# KiCad board OLD_PCB.kicad_pcb (continued)
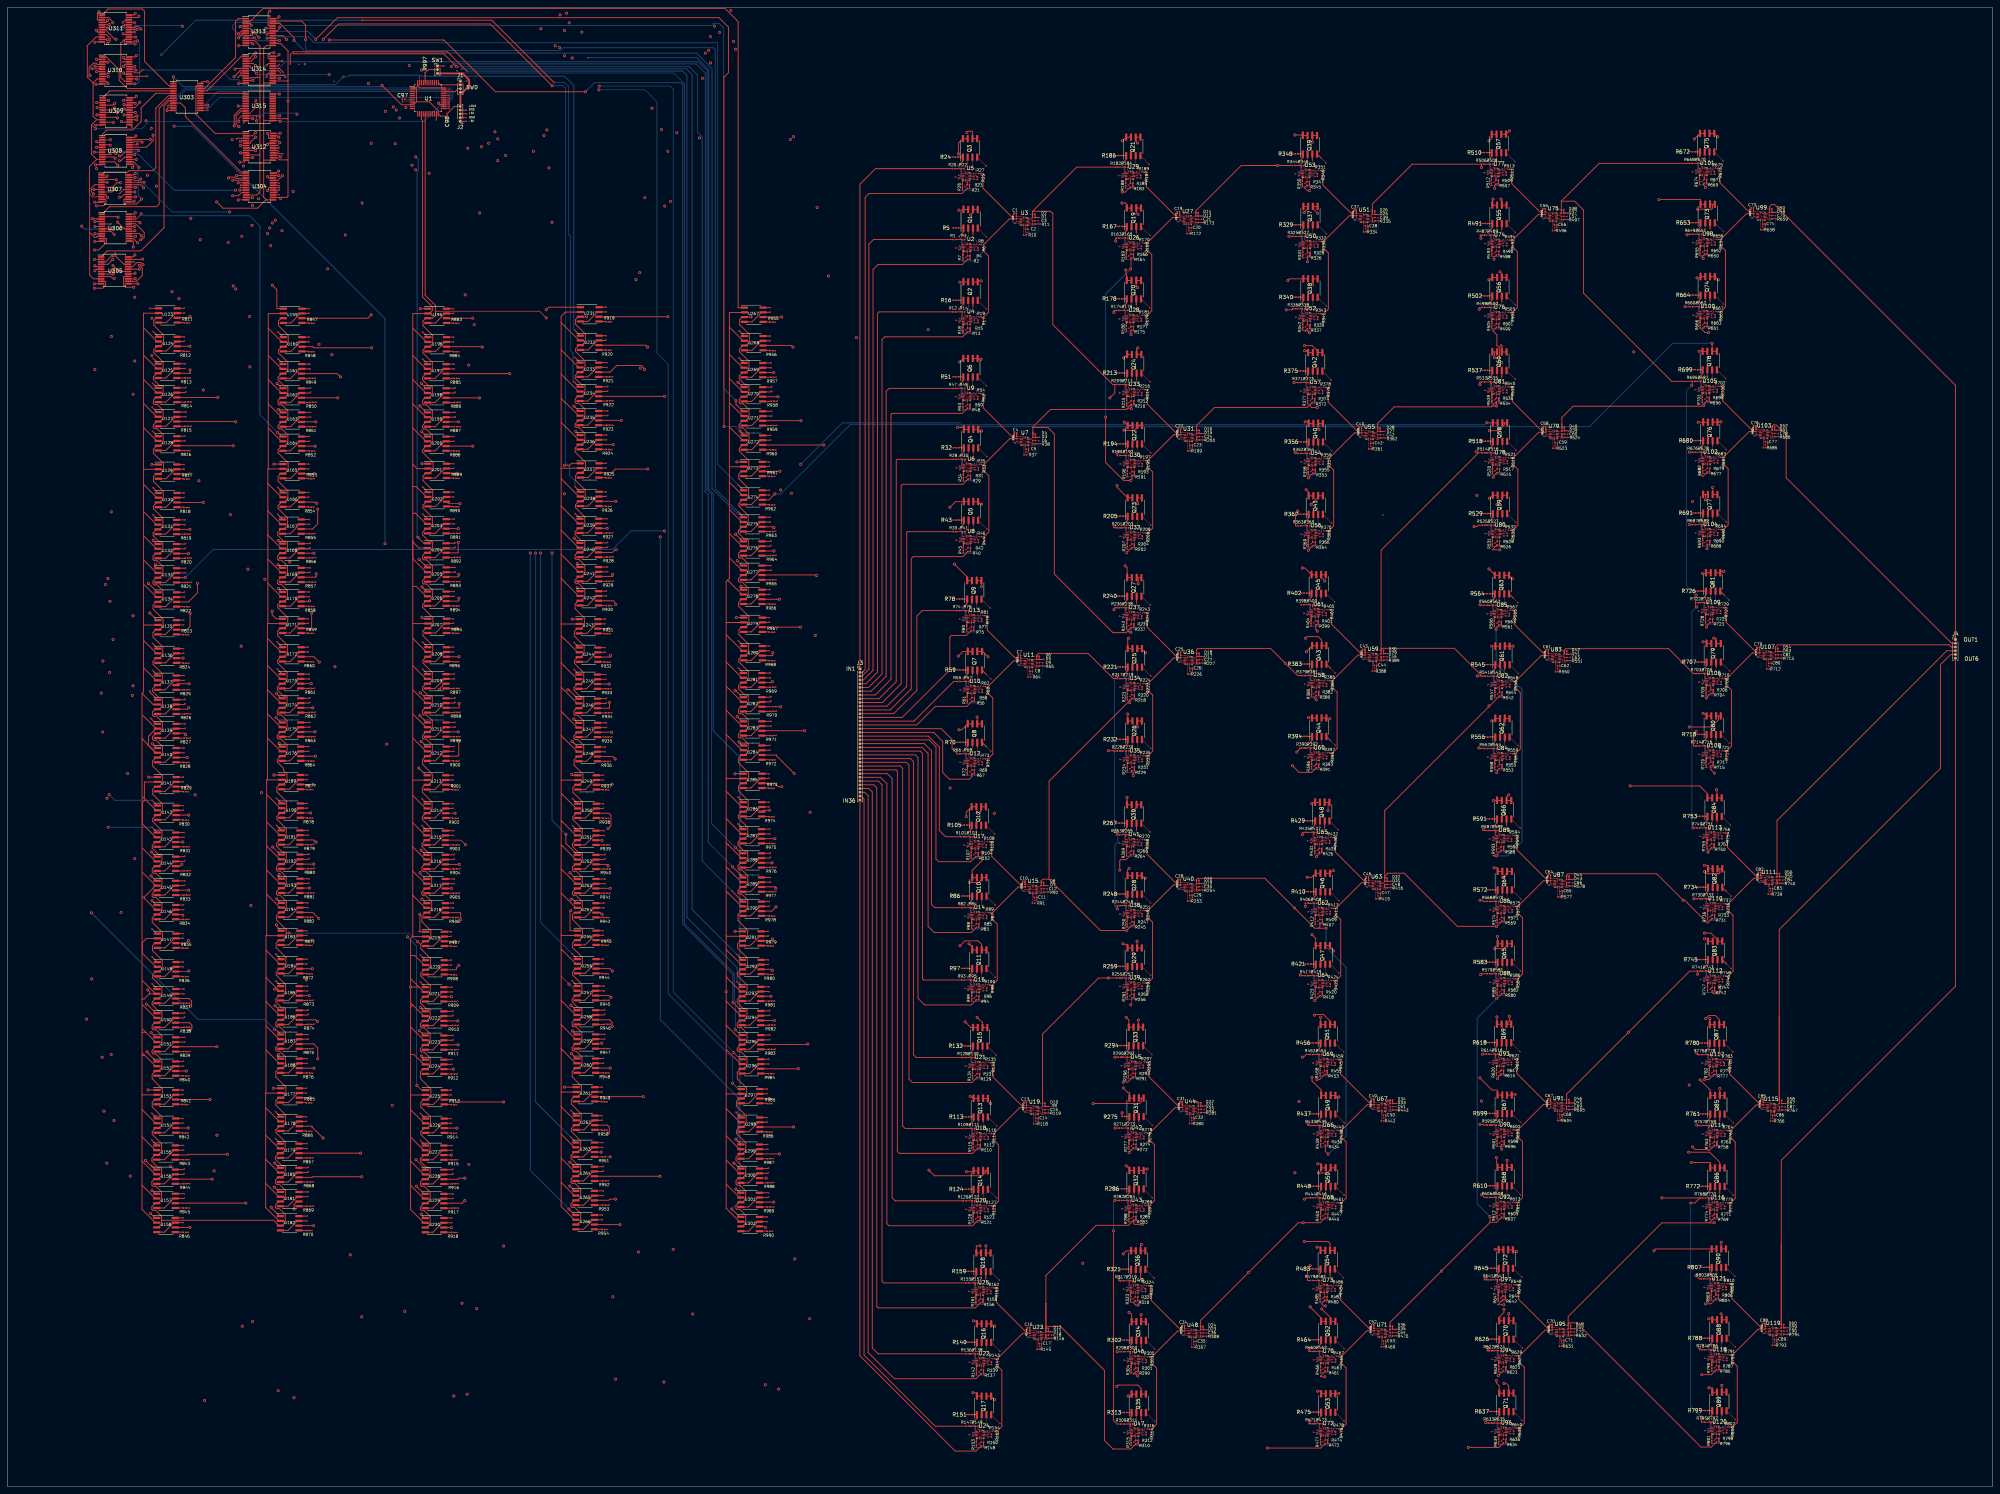
[diagram p0: board, top side]
## Nets (continued)
/L1_IN8: J3.8 R48.1
/L1_IN9: J3.9 R28.1
/L1_IN10: J3.10 R29.1
/L1_IN11: J3.11 R39.1
/L1_IN12: J3.12 R40.1
/L1_IN13: J3.13 R74.1
/L1_IN14: J3.14 R75.1
/L1_IN15: J3.15 R55.1
/L1_IN16: J3.16 R56.1
/L1_IN17: J3.17 R66.1
/L1_IN18: J3.18 R67.1
/L1_IN19: J3.19 R101.1
/L1_IN20: J3.20 R102.1
/L1_IN21: J3.21 R82.1
/L1_IN22: J3.22 R83.1
/L1_IN23: J3.23 R93.1
/L1_IN24: J3.24 R94.1
/L1_IN25: J3.25 R128.1
/L1_IN26: J3.26 R129.1
/L1_IN27: J3.27 R109.1
/L1_IN28: J3.28 R110.1
/L1_IN29: J3.29 R120.1
/L1_IN30: J3.30 R121.1
/L1_IN31: J3.31 R155.1
/L1_IN32: J3.32 R156.1
/L1_IN33: J3.33 R136.1
/L1_IN34: J3.34 R137.1
/L1_IN35: J3.35 R147.1
/L1_IN36: J3.36 R148.1
/L5_OUT1: D49.2 D50.1 J4.1 U99.12 U99.13
/L5_OUT2: D51.2 D52.1 J4.2 U103.12 U103.13
/L5_OUT3: D53.2 D54.1 J4.3 U107.12 U107.13
/L5_OUT4: D55.2 D56.1 J4.4 U111.12 U111.13
/L5_OUT5: D57.2 D58.1 J4.5 U115.12 U115.13
/L5_OUT6: D59.2 D60.1 J4.6 U119.12 U119.13
/MISO: U1.16
/MOSI: U1.17 U123.3 U124.3 U125.3 U126.3 U127.3 U128.3 U129.3 U130.3 U131.3 U132.3 U133.3 U134.3 U135.3 U136.3 U137.3 U138.3 U139.3 U140.3 U141.3 U142.3 U143.3 U144.3 U145.3 U146.3 U147.3 U148.3 U149.3 U150.3 U151.3 U152.3 U153.3 U154.3 U155.3 U156.3 U157.3 U158.3 U159.3 U160.3 U161.3 U162.3 U163.3 U164.3 U165.3 U166.3 U167.3 U168.3 U169.3 U170.3 U171.3 U172.3 U173.3 U174.3 U175.3 U176.3 U177.3 U178.3 U179.3 U180.3 U181.3 U182.3 U183.3 U184.3 U185.3 U186.3 U187.3 U188.3 U189.3 U190.3 U191.3 U192.3 U193.3 U194.3 U195.3 U196.3 U197.3 U198.3 U199.3 U200.3 U201.3 U202.3 U203.3 U204.3 U205.3 U206.3 U207.3 U208.3 U209.3 U210.3 U211.3 U212.3 U213.3 U214.3 U215.3 U216.3 U217.3 U218.3 U219.3 U220.3 U221.3 U222.3 U223.3 U224.3 U225.3 U226.3 U227.3 U228.3 U229.3 U230.3 U231.3 U232.3 U233.3 U234.3 U235.3 U236.3 U237.3 U238.3 U239.3 U240.3 U241.3 U242.3 U243.3 U244.3 U245.3 U246.3 U247.3 U248.3 U249.3 U250.3 U251.3 U252.3 U253.3 U254.3 U255.3 U256.3 U257.3 U258.3 U259.3 U260.3 U261.3 U262.3 U263.3 U264.3 U265.3 U266.3 U267.3 U268.3 U269.3 U270.3 U271.3 U272.3 U273.3 U274.3 U275.3 U276.3 U277.3 U278.3 U279.3 U280.3 U281.3 U282.3 U283.3 U284.3 U285.3 U286.3 U287.3 U288.3 U289.3 U290.3 U291.3 U292.3 U293.3 U294.3 U295.3 U296.3 U297.3 U298.3 U299.3 U300.3 U301.3 U302.3
/Neuron6_1/Adder2/SUM_IN: R169.2 R170.2 R171.1 R180.2 R181.2 R188.2 R189.2 U27.1
/Neuron6_1/IN1: D1.2 D2.1 R182.1 R209.1 R236.1 R263.1 R290.1 R317.1 U3.12 U3.13
/Neuron6_1/IN2: D3.2 D4.1 R183.1 R210.1 R237.1 R264.1 R291.1 R318.1 U7.12 U7.13
/Neuron6_1/IN3: D5.2 D6.1 R163.1 R190.1 R217.1 R244.1 R271.1 R298.1 U11.12 U11.13
/Neuron6_1/IN4: D7.2 D8.1 R164.1 R191.1 R218.1 R245.1 R272.1 R299.1 U15.12 U15.13
/Neuron6_1/IN5: D9.2 D10.1 R174.1 R201.1 R228.1 R255.1 R282.1 R309.1 U19.12 U19.13
/Neuron6_1/IN6: D11.2 D12.1 R175.1 R202.1 R229.1 R256.1 R283.1 R310.1 U23.12 U23.13
/Neuron6_1/OUT: D13.2 D14.1 R344.1 R371.1 R425.1 R452.1 R479.1 U27.12 U27.13
/Neuron6_2/Adder2/SUM_IN: R196.2 R197.2 R198.1 R207.2 R208.2 R215.2 R216.2 U31.1
/Neuron6_3/Adder2/SUM_IN: R223.2 R224.2 R225.1 R234.2 R235.2 R242.2 R243.2 U36.1
/Neuron6_4/Adder2/SUM_IN: R250.2 R251.2 R252.1 R261.2 R262.2 R269.2 R270.2 U40.1
/Neuron6_5/Adder2/SUM_IN: R277.2 R278.2 R279.1 R288.2 R289.2 R296.2 R297.2 U44.1
/Neuron6_6/Adder2/SUM_IN: R304.2 R305.2 R306.1 R315.2 R316.2 R323.2 R324.2 U48.1
/Neuron6_7/Adder2/SUM_IN: R331.2 R332.2 R333.1 R342.2 R343.2 R350.2 R351.2 U51.1
/Neuron6_8/Adder2/SUM_IN: R358.2 R359.2 R360.1 R369.2 R370.2 R377.2 R378.2 U55.1
/Neuron6_9/Adder2/SUM_IN: R385.2 R386.2 R387.1 R396.2 R397.2 R404.2 R405.2 U59.1
/Neuron6_9/IN1: R398.1
/Neuron6_10/Adder2/SUM_IN: R412.2 R413.2 R414.1 R423.2 R424.2 R431.2 R432.2 U63.1
/Neuron6_10/IN2: D15.2 D16.1 R345.1 R372.1 R399.1 R426.1 R453.1 R480.1 U31.12 U31.13
/Neuron6_10/IN3: D17.2 D18.1 R325.1 R352.1 R379.1 R406.1 R433.1 R460.1 U36.12 U36.13
/Neuron6_10/IN4: D19.2 D20.1 R326.1 R353.1 R380.1 R407.1 R434.1 R461.1 U40.12 U40.13
/Neuron6_10/IN5: D21.2 D22.1 R336.1 R363.1 R390.1 R417.1 R444.1 R471.1 U44.12 U44.13
/Neuron6_10/IN6: D23.2 D24.1 R337.1 R364.1 R391.1 R418.1 R445.1 R472.1 U48.12 U48.13
/Neuron6_10/OUT: D31.2 D32.1 R488.1 R515.1 R542.1 R569.1 R596.1 R623.1 U63.12 U63.13
/Neuron6_11/Adder2/SUM_IN: R439.2 R440.2 R441.1 R450.2 R451.2 R458.2 R459.2 U67.1
/Neuron6_11/OUT: D33.2 D34.1 R498.1 R525.1 R552.1 R579.1 R606.1 R633.1 U67.12 U67.13
/Neuron6_12/Adder2/SUM_IN: R466.2 R467.2 R468.1 R477.2 R478.2 R485.2 R486.2 U71.1
/Neuron6_12/OUT: D35.2 D36.1 R499.1 R526.1 R553.1 R580.1 R607.1 R634.1 U71.12 U71.13
/Neuron6_13/Adder2/SUM_IN: R493.2 R494.2 R495.1 R504.2 R505.2 R512.2 R513.2 U75.1
/Neuron6_13/IN1: D25.2 D26.1 R506.1 R533.1 R560.1 R587.1 R614.1 R641.1 U51.12 U51.13
/Neuron6_13/IN2: D27.2 D28.1 R507.1 R534.1 R561.1 R588.1 R615.1 R642.1 U55.12 U55.13
/Neuron6_13/IN3: D29.2 D30.1 R487.1 R514.1 R541.1 R568.1 R595.1 R622.1 U59.12 U59.13
/Neuron6_13/OUT: D37.2 D38.1 R668.1 R695.1 R722.1 R749.1 R776.1 R803.1 U75.12 U75.13
/Neuron6_14/Adder2/SUM_IN: R520.2 R521.2 R522.1 R531.2 R532.2 R539.2 R540.2 U79.1
/Neuron6_14/OUT: D39.2 D40.1 R669.1 R696.1 R723.1 R750.1 R777.1 R804.1 U79.12 U79.13
/Neuron6_15/Adder2/SUM_IN: R547.2 R548.2 R549.1 R558.2 R559.2 R566.2 R567.2 U83.1
/Neuron6_15/OUT: D41.2 D42.1 R649.1 R676.1 R703.1 R730.1 R757.1 R784.1 U83.12 U83.13
/Neuron6_16/Adder2/SUM_IN: R574.2 R575.2 R576.1 R585.2 R586.2 R593.2 R594.2 U87.1
/Neuron6_16/OUT: D43.2 D44.1 R650.1 R677.1 R704.1 R731.1 R758.1 R785.1 U87.12 U87.13
/Neuron6_17/Adder2/SUM_IN: R601.2 R602.2 R603.1 R612.2 R613.2 R620.2 R621.2 U91.1
/Neuron6_17/OUT: D45.2 D46.1 R660.1 R687.1 R714.1 R741.1 R768.1 R795.1 U91.12 U91.13
/Neuron6_18/Adder2/SUM_IN: R628.2 R629.2 R630.1 R639.2 R640.2 R647.2 R648.2 U95.1
/Neuron6_18/OUT: D47.2 D48.1 R661.1 R688.1 R715.1 R742.1 R769.1 R796.1 U95.12 U95.13
/Neuron6_19/Adder2/SUM_IN: R655.2 R656.2 R657.1 R666.2 R667.2 R674.2 R675.2 U99.1
/Neuron6_20/Adder2/SUM_IN: R682.2 R683.2 R684.1 R693.2 R694.2 R701.2 R702.2 U103.1
/Neuron6_21/Adder2/SUM_IN: R709.2 R710.2 R711.1 R720.2 R721.2 R728.2 R729.2 U107.1
/Neuron6_22/Adder2/SUM_IN: R736.2 R737.2 R738.1 R747.2 R748.2 R755.2 R756.2 U111.1
/Neuron6_23/Adder2/SUM_IN: R763.2 R764.2 R765.1 R774.2 R775.2 R782.2 R783.2 U115.1
/Neuron6_24/Adder2/SUM_IN: R790.2 R791.2 R792.1 R801.2 R802.2 R809.2 R810.2 U119.1
/Neuron6_in1/Adder2/SUM_IN: R7.2 R8.2 R9.1 R18.2 R19.2 R26.2 R27.2 U3.1
/Neuron6_in2/Adder2/SUM_IN: R34.2 R35.2 R36.1 R45.2 R46.2 R53.2 R54.2 U7.1
/Neuron6_in3/Adder2/SUM_IN: R61.2 R62.2 R63.1 R72.2 R73.2 R80.2 R81.2 U11.1
/Neuron6_in4/Adder2/SUM_IN: R88.2 R89.2 R90.1 R99.2 R100.2 R107.2 R108.2 U15.1
/Neuron6_in5/Adder2/SUM_IN: R115.2 R116.2 R117.1 R126.2 R127.2 R134.2 R135.2 U19.1
/Neuron6_in6/Adder2/SUM_IN: R142.2 R143.2 R144.1 R153.2 R154.2 R161.2 R162.2 U23.1
/NRST: C97.2 U1.7
/S0: U1.25 U304.10 U305.10 U306.10 U307.10 U308.10 U309.10 U310.10 U311.10 U312.10 U313.10 U314.10 U315.10
/S1: U1.26 U304.11 U305.11 U306.11 U307.11 U308.11 U309.11 U310.11 U311.11 U312.11 U313.11 U314.11 U315.11
/S2: U1.27 U304.14 U305.14 U306.14 U307.14 U308.14 U309.14 U310.14 U311.14 U312.14 U313.14 U314.14 U315.14
/S3: U1.28 U304.13 U305.13 U306.13 U307.13 U308.13 U309.13 U310.13 U311.13 U312.13 U313.13 U314.13 U315.13
/S4: U1.29 U303.10
/S5: U1.30 U303.11
/S6: U1.31 U303.14
/S7: U1.32 U303.13
/SCK: U1.15 U123.2 U124.2 U125.2 U126.2 U127.2 U128.2 U129.2 U130.2 U131.2 U132.2 U133.2 U134.2 U135.2 U136.2 U137.2 U138.2 U139.2 U140.2 U141.2 U142.2 U143.2 U144.2 U145.2 U146.2 U147.2 U148.2 U149.2 U150.2 U151.2 U152.2 U153.2 U154.2 U155.2 U156.2 U157.2 U158.2 U159.2 U160.2 U161.2 U162.2 U163.2 U164.2 U165.2 U166.2 U167.2 U168.2 U169.2 U170.2 U171.2 U172.2 U173.2 U174.2 U175.2 U176.2 U177.2 U178.2 U179.2 U180.2 U181.2 U182.2 U183.2 U184.2 U185.2 U186.2 U187.2 U188.2 U189.2 U190.2 U191.2 U192.2 U193.2 U194.2 U195.2 U196.2 U197.2 U198.2 U199.2 U200.2 U201.2 U202.2 U203.2 U204.2 U205.2 U206.2 U207.2 U208.2 U209.2 U210.2 U211.2 U212.2 U213.2 U214.2 U215.2 U216.2 U217.2 U218.2 U219.2 U220.2 U221.2 U222.2 U223.2 U224.2 U225.2 U226.2 U227.2 U228.2 U229.2 U230.2 U231.2 U232.2 U233.2 U234.2 U235.2 U236.2 U237.2 U238.2 U239.2 U240.2 U241.2 U242.2 U243.2 U244.2 U245.2 U246.2 U247.2 U248.2 U249.2 U250.2 U251.2 U252.2 U253.2 U254.2 U255.2 U256.2 U257.2 U258.2 U259.2 U260.2 U261.2 U262.2 U263.2 U264.2 U265.2 U266.2 U267.2 U268.2 U269.2 U270.2 U271.2 U272.2 U273.2 U274.2 U275.2 U276.2 U277.2 U278.2 U279.2 U280.2 U281.2 U282.2 U283.2 U284.2 U285.2 U286.2 U287.2 U288.2 U289.2 U290.2 U291.2 U292.2 U293.2 U294.2 U295.2 U296.2 U297.2 U298.2 U299.2 U300.2 U301.2 U302.2
/SWCLK: J1.2 U1.37
/SWDIO: J1.3 U1.34
/VariableWeights/CS111: U123.1 U304.2
/VariableWeights/CS112: U124.1 U304.3
/VariableWeights/CS113: U125.1 U304.4
/VariableWeights/CS114: U126.1 U304.5
/VariableWeights/CS115: U127.1 U304.6
/VariableWeights/CS116: U128.1 U304.7
/VariableWeights/CS121: U129.1 U304.8
/VariableWeights/CS122: U130.1 U304.9
/VariableWeights/CS123: U131.1 U304.23
/VariableWeights/CS124: U132.1 U304.22
/VariableWeights/CS125: U133.1 U304.21
/VariableWeights/CS126: U134.1 U304.20
/VariableWeights/CS131: U135.1 U304.19
/VariableWeights/CS132: U136.1 U304.18
/VariableWeights/CS133: U137.1 U304.17
/VariableWeights/CS134: U138.1 U304.16
/VariableWeights/CS135: U139.1 U305.2
/VariableWeights/CS136: U140.1 U305.3
/VariableWeights/CS141: U141.1 U305.4
/VariableWeights/CS142: U142.1 U305.5
/VariableWeights/CS143: U143.1 U305.6
/VariableWeights/CS144: U144.1 U305.7
/VariableWeights/CS145: U145.1 U305.8
/VariableWeights/CS146: U146.1 U305.9
/VariableWeights/CS151: U147.1 U305.23
/VariableWeights/CS152: U148.1 U305.22
/VariableWeights/CS153: U149.1 U305.21
/VariableWeights/CS154: U150.1 U305.20
/VariableWeights/CS155: U151.1 U305.19
/VariableWeights/CS156: U152.1 U305.18
/VariableWeights/CS161: U153.1 U305.17
/VariableWeights/CS162: U154.1 U305.16
/VariableWeights/CS163: U155.1 U306.2
/VariableWeights/CS164: U156.1 U306.3
/VariableWeights/CS165: U157.1 U306.4
/VariableWeights/CS166: U158.1 U306.5
/VariableWeights/CS211: U159.1 U306.6
/VariableWeights/CS212: U160.1 U306.7
/VariableWeights/CS213: U161.1 U306.8
/VariableWeights/CS214: U162.1 U306.9
/VariableWeights/CS215: U163.1 U306.23
/VariableWeights/CS216: U164.1 U306.22
/VariableWeights/CS221: U165.1 U306.21
/VariableWeights/CS222: U166.1 U306.20
/VariableWeights/CS223: U167.1 U306.19
/VariableWeights/CS224: U168.1 U306.18
/VariableWeights/CS225: U169.1 U306.17
/VariableWeights/CS226: U170.1 U306.16
/VariableWeights/CS231: U171.1 U307.2
/VariableWeights/CS232: U172.1 U307.3
/VariableWeights/CS233: U173.1 U307.4
/VariableWeights/CS234: U174.1 U307.5
/VariableWeights/CS235: U175.1 U307.6
/VariableWeights/CS236: U176.1 U307.7
/VariableWeights/CS241: U189.1 U307.8
/VariableWeights/CS242: U190.1 U307.9
/VariableWeights/CS243: U191.1 U307.23
/VariableWeights/CS244: U192.1 U307.22
/VariableWeights/CS245: U193.1 U307.21
/VariableWeights/CS246: U194.1 U307.20
/VariableWeights/CS251: U183.1 U307.19
/VariableWeights/CS252: U184.1 U307.18
/VariableWeights/CS253: U185.1 U307.17
/VariableWeights/CS254: U186.1 U307.16
/VariableWeights/CS255: U187.1 U308.2
/VariableWeights/CS256: U188.1 U308.3
/VariableWeights/CS261: U177.1 U308.4
/VariableWeights/CS262: U178.1 U308.5
/VariableWeights/CS263: U179.1 U308.6
/VariableWeights/CS264: U180.1 U308.7
/VariableWeights/CS265: U181.1 U308.8
/VariableWeights/CS266: U182.1 U308.9
/VariableWeights/CS311: U195.1 U308.23
/VariableWeights/CS312: U196.1 U308.22
/VariableWeights/CS313: U197.1 U308.21
/VariableWeights/CS314: U198.1 U308.20
/VariableWeights/CS315: U199.1 U308.19
/VariableWeights/CS316: U200.1 U308.18
/VariableWeights/CS321: U201.1 U308.17
/VariableWeights/CS322: U202.1 U308.16
/VariableWeights/CS323: U203.1 U309.2
/VariableWeights/CS324: U204.1 U309.3
/VariableWeights/CS325: U205.1 U309.4
/VariableWeights/CS326: U206.1 U309.5
/VariableWeights/CS331: U207.1 U309.6
/VariableWeights/CS332: U208.1 U309.7
/VariableWeights/CS333: U209.1 U309.8
/VariableWeights/CS334: U210.1 U309.9
/VariableWeights/CS335: U211.1 U309.23
/VariableWeights/CS336: U212.1 U309.22
/VariableWeights/CS341: U213.1 U309.21
/VariableWeights/CS342: U214.1 U309.20
/VariableWeights/CS343: U215.1 U309.19
/VariableWeights/CS344: U216.1 U309.18
/VariableWeights/CS345: U217.1 U309.17
/VariableWeights/CS346: U218.1 U309.16
/VariableWeights/CS351: U219.1 U310.2
/VariableWeights/CS352: U220.1 U310.3
/VariableWeights/CS353: U221.1 U310.4
/VariableWeights/CS354: U222.1 U310.5
/VariableWeights/CS355: U223.1 U310.6
/VariableWeights/CS356: U224.1 U310.7
/VariableWeights/CS361: U225.1 U310.8
/VariableWeights/CS362: U226.1 U310.9
/VariableWeights/CS363: U227.1 U310.23
/VariableWeights/CS364: U228.1 U310.22
/VariableWeights/CS365: U229.1 U310.21
/VariableWeights/CS366: U230.1 U310.20
/VariableWeights/CS411: U231.1 U310.19
/VariableWeights/CS412: U232.1 U310.18
/VariableWeights/CS413: U233.1 U310.17
/VariableWeights/CS414: U234.1 U310.16
/VariableWeights/CS415: U235.1 U311.2
/VariableWeights/CS416: U236.1 U311.3
/VariableWeights/CS421: U237.1 U311.4
/VariableWeights/CS422: U238.1 U311.5
/VariableWeights/CS423: U239.1 U311.6
/VariableWeights/CS424: U240.1 U311.7
/VariableWeights/CS425: U241.1 U311.8
/VariableWeights/CS426: U242.1 U311.9
/VariableWeights/CS431: U243.1 U311.23
/VariableWeights/CS432: U244.1 U311.22
/VariableWeights/CS433: U245.1 U311.21
/VariableWeights/CS434: U246.1 U311.20
/VariableWeights/CS435: U247.1 U311.19
/VariableWeights/CS436: U248.1 U311.18
/VariableWeights/CS441: U249.1 U311.17
/VariableWeights/CS442: U250.1 U311.16
/VariableWeights/CS443: U251.1 U312.2
/VariableWeights/CS444: U252.1 U312.3
/VariableWeights/CS445: U253.1 U312.4
/VariableWeights/CS446: U254.1 U312.5
/VariableWeights/CS451: U255.1 U312.6
/VariableWeights/CS452: U256.1 U312.7
/VariableWeights/CS453: U257.1 U312.8
/VariableWeights/CS454: U258.1 U312.9
/VariableWeights/CS455: U259.1 U312.23
/VariableWeights/CS456: U260.1 U312.22
/VariableWeights/CS461: U261.1 U312.21
/VariableWeights/CS462: U262.1 U312.20
/VariableWeights/CS463: U263.1 U312.19
/VariableWeights/CS464: U264.1 U312.18
/VariableWeights/CS465: U265.1 U312.17
/VariableWeights/CS466: U266.1 U312.16
/VariableWeights/CS511: U267.1 U313.2
/VariableWeights/CS512: U268.1 U313.3
/VariableWeights/CS513: U269.1 U313.4
/VariableWeights/CS514: U270.1 U313.5
/VariableWeights/CS515: U271.1 U313.6
/VariableWeights/CS516: U272.1 U313.7
/VariableWeights/CS521: U273.1 U313.8
/VariableWeights/CS522: U274.1 U313.9
/VariableWeights/CS523: U275.1 U313.23
/VariableWeights/CS524: U276.1 U313.22
/VariableWeights/CS525: U277.1 U313.21
/VariableWeights/CS526: U278.1 U313.20
/VariableWeights/CS531: U279.1 U313.19
/VariableWeights/CS532: U280.1 U313.18
/VariableWeights/CS533: U281.1 U313.17
/VariableWeights/CS534: U282.1 U313.16
/VariableWeights/CS535: U283.1 U314.2
/VariableWeights/CS536: U284.1 U314.3
/VariableWeights/CS541: U285.1 U314.4
/VariableWeights/CS542: U286.1 U314.5
/VariableWeights/CS543: U287.1 U314.6
/VariableWeights/CS544: U288.1 U314.7
/VariableWeights/CS545: U289.1 U314.8
/VariableWeights/CS546: U290.1 U314.9
/VariableWeights/CS551: U291.1 U314.23
/VariableWeights/CS552: U292.1 U314.22
/VariableWeights/CS553: U293.1 U314.21
/VariableWeights/CS554: U294.1 U314.20
/VariableWeights/CS555: U295.1 U314.19
/VariableWeights/CS556: U296.1 U314.18
/VariableWeights/CS561: U297.1 U314.17
/VariableWeights/CS562: U298.1 U314.16
/VariableWeights/CS563: U299.1 U315.9
/VariableWeights/CS564: U300.1 U315.8
/VariableWeights/CS565: U301.1 U315.7
/VariableWeights/CS566: U302.1 U315.6
/VariableWeights/WeightCtrlChipSel/MUX0: U303.9 U304.1
/VariableWeights/WeightCtrlChipSel/MUX1: U303.8 U305.1
/VariableWeights/WeightCtrlChipSel/MUX2: U303.7 U306.1
/VariableWeights/WeightCtrlChipSel/MUX3: U303.6 U307.1
/VariableWeights/WeightCtrlChipSel/MUX4: U303.5 U308.1
/VariableWeights/WeightCtrlChipSel/MUX5: U303.4 U309.1
/VariableWeights/WeightCtrlChipSel/MUX6: U303.3 U310.1
/VariableWeights/WeightCtrlChipSel/MUX7: U303.2 U311.1
/VariableWeights/WeightCtrlChipSel/MUX8: U303.23 U312.1
/VariableWeights/WeightCtrlChipSel/MUX9: U303.22 U313.1
/VariableWeights/WeightCtrlChipSel/MUX10: U303.21 U314.1
/VariableWeights/WeightCtrlChipSel/MUX11: U303.20 U315.1
/W111: Q3.7 Q3.8 U123.6
/W112: Q3.5 Q3.6 U124.6
/W113: Q1.7 Q1.8 U125.6
/W114: Q1.5 Q1.6 U126.6
/W115: Q2.7 Q2.8 U127.6
/W116: Q2.5 Q2.6 U128.6
/W121: Q6.7 Q6.8 U129.6
/W122: Q6.5 Q6.6 U130.6
/W123: Q4.7 Q4.8 U131.6
/W124: Q4.5 Q4.6 U132.6
/W125: Q5.7 Q5.8 U133.6
/W126: Q5.5 Q5.6 U134.6
/W131: Q9.7 Q9.8 U135.6
/W132: Q9.5 Q9.6 U136.6
/W133: Q7.7 Q7.8 U137.6
/W134: Q7.5 Q7.6 U138.6
/W135: Q8.7 Q8.8 U139.6
/W136: Q8.5 Q8.6 U140.6
/W141: Q12.7 Q12.8 U141.6
/W142: Q12.5 Q12.6 U142.6
/W143: Q10.7 Q10.8 U143.6
/W144: Q10.5 Q10.6 U144.6
/W145: Q11.7 Q11.8 U145.6
/W146: Q11.5 Q11.6 U146.6
/W151: Q15.7 Q15.8 U147.6
/W152: Q15.5 Q15.6 U148.6
/W153: Q13.7 Q13.8 U149.6
/W154: Q13.5 Q13.6 U150.6
/W155: Q14.7 Q14.8 U151.6
/W156: Q14.5 Q14.6 U152.6
/W161: Q18.7 Q18.8 U153.6
/W162: Q18.5 Q18.6 U154.6
/W163: Q16.7 Q16.8 U155.6
/W164: Q16.5 Q16.6 U156.6
/W165: Q17.7 Q17.8 U157.6
/W166: Q17.5 Q17.6 U158.6
/W211: Q21.7 Q21.8 U159.6
/W212: Q21.5 Q21.6 U160.6
/W213: Q19.7 Q19.8 U161.6
/W214: Q19.5 Q19.6 U162.6
/W215: Q20.7 Q20.8 U163.6
/W216: Q20.5 Q20.6 U164.6
/W221: Q24.7 Q24.8 U165.6
/W222: Q24.5 Q24.6 U166.6
/W223: Q22.7 Q22.8 U167.6
/W224: Q22.5 Q22.6 U168.6
/W225: Q23.7 Q23.8 U169.6
/W226: Q23.5 Q23.6 U170.6
/W231: Q27.7 Q27.8 U171.6
/W232: Q27.5 Q27.6 U172.6
/W233: Q25.7 Q25.8 U173.6
/W234: Q25.5 Q25.6 U174.6
/W235: Q26.7 Q26.8 U175.6
/W236: Q26.5 Q26.6 U176.6
/W241: Q30.7 Q30.8 U189.6
/W242: Q30.5 Q30.6 U190.6
/W243: Q28.7 Q28.8 U191.6
/W244: Q28.5 Q28.6 U192.6
/W245: Q29.7 Q29.8 U193.6
/W246: Q29.5 Q29.6 U194.6
/W251: Q33.7 Q33.8 U183.6
/W252: Q33.5 Q33.6 U184.6
/W253: Q31.7 Q31.8 U185.6
/W254: Q31.5 Q31.6 U186.6
/W255: Q32.7 Q32.8 U187.6
/W256: Q32.5 Q32.6 U188.6
/W261: Q36.7 Q36.8 U177.6
/W262: Q36.5 Q36.6 U178.6
/W263: Q34.7 Q34.8 U179.6
/W264: Q34.5 Q34.6 U180.6
/W265: Q35.7 Q35.8 U181.6
/W266: Q35.5 Q35.6 U182.6
/W311: Q39.7 Q39.8 U195.6
/W312: Q39.5 Q39.6 U196.6
/W313: Q37.7 Q37.8 U197.6
/W314: Q37.5 Q37.6 U198.6
/W315: Q38.7 Q38.8 U199.6
/W316: Q38.5 Q38.6 U200.6
/W321: Q42.7 Q42.8 U201.6
/W322: Q42.5 Q42.6 U202.6
/W323: Q40.7 Q40.8 U203.6
/W324: Q40.5 Q40.6 U204.6
/W325: Q41.7 Q41.8 U205.6
/W326: Q41.5 Q41.6 U206.6
/W331: Q45.7 Q45.8 U207.6
/W332: Q45.5 Q45.6 U208.6
/W333: Q43.7 Q43.8 U209.6
/W334: Q43.5 Q43.6 U210.6
/W335: Q44.7 Q44.8 U211.6
/W336: Q44.5 Q44.6 U212.6
/W341: Q48.7 Q48.8 U213.6
/W342: Q48.5 Q48.6 U214.6
/W343: Q46.7 Q46.8 U215.6
/W344: Q46.5 Q46.6 U216.6
/W345: Q47.7 Q47.8 U217.6
/W346: Q47.5 Q47.6 U218.6
/W351: Q51.7 Q51.8 U219.6
/W352: Q51.5 Q51.6 U220.6
/W353: Q49.7 Q49.8 U221.6
/W354: Q49.5 Q49.6 U222.6
/W355: Q50.7 Q50.8 U223.6
/W356: Q50.5 Q50.6 U224.6
/W361: Q54.7 Q54.8 U225.6
/W362: Q54.5 Q54.6 U226.6
/W363: Q52.7 Q52.8 U227.6
/W364: Q52.5 Q52.6 U228.6
/W365: Q53.7 Q53.8 U229.6
/W366: Q53.5 Q53.6 U230.6
/W411: Q57.7 Q57.8 U231.6
/W412: Q57.5 Q57.6 U232.6
/W413: Q55.7 Q55.8 U233.6
/W414: Q55.5 Q55.6 U234.6
/W415: Q56.7 Q56.8 U235.6
/W416: Q56.5 Q56.6 U236.6
/W421: Q60.7 Q60.8 U237.6
/W422: Q60.5 Q60.6 U238.6
/W423: Q58.7 Q58.8 U239.6
/W424: Q58.5 Q58.6 U240.6
/W425: Q59.7 Q59.8 U241.6
/W426: Q59.5 Q59.6 U242.6
/W431: Q63.7 Q63.8 U243.6
/W432: Q63.5 Q63.6 U244.6
/W433: Q61.7 Q61.8 U245.6
/W434: Q61.5 Q61.6 U246.6
/W435: Q62.7 Q62.8 U247.6
/W436: Q62.5 Q62.6 U248.6
/W441: Q66.7 Q66.8 U249.6
/W442: Q66.5 Q66.6 U250.6
/W443: Q64.7 Q64.8 U251.6
/W444: Q64.5 Q64.6 U252.6
/W445: Q65.7 Q65.8 U253.6
/W446: Q65.5 Q65.6 U254.6
/W451: Q69.7 Q69.8 U255.6
/W452: Q69.5 Q69.6 U256.6
/W453: Q67.7 Q67.8 U257.6
/W454: Q67.5 Q67.6 U258.6
/W455: Q68.7 Q68.8 U259.6
/W456: Q68.5 Q68.6 U260.6
/W461: Q72.7 Q72.8 U261.6
/W462: Q72.5 Q72.6 U262.6
/W463: Q70.7 Q70.8 U263.6
/W464: Q70.5 Q70.6 U264.6
/W465: Q71.7 Q71.8 U265.6
/W466: Q71.5 Q71.6 U266.6
/W511: Q75.7 Q75.8 U267.6
/W512: Q75.5 Q75.6 U268.6
/W513: Q73.7 Q73.8 U269.6
/W514: Q73.5 Q73.6 U270.6
/W515: Q74.7 Q74.8 U271.6
/W516: Q74.5 Q74.6 U272.6
/W521: Q78.7 Q78.8 U273.6
/W522: Q78.5 Q78.6 U274.6
/W523: Q76.7 Q76.8 U275.6
/W524: Q76.5 Q76.6 U276.6
/W525: Q77.7 Q77.8 U277.6
/W526: Q77.5 Q77.6 U278.6
/W531: Q81.7 Q81.8 U279.6
/W532: Q81.5 Q81.6 U280.6
/W533: Q79.7 Q79.8 U281.6
/W534: Q79.5 Q79.6 U282.6
/W535: Q80.7 Q80.8 U283.6
/W536: Q80.5 Q80.6 U284.6
/W541: Q84.7 Q84.8 U285.6
/W542: Q84.5 Q84.6 U286.6
/W543: Q82.7 Q82.8 U287.6
/W544: Q82.5 Q82.6 U288.6
/W545: Q83.7 Q83.8 U289.6
/W546: Q83.5 Q83.6 U290.6
/W551: Q87.7 Q87.8 U291.6
/W552: Q87.5 Q87.6 U292.6
/W553: Q85.7 Q85.8 U293.6
/W554: Q85.5 Q85.6 U294.6
/W555: Q86.7 Q86.8 U295.6
/W556: Q86.5 Q86.6 U296.6
/W561: Q90.7 Q90.8 U297.6
/W562: Q90.5 Q90.6 U298.6
/W563: Q88.7 Q88.8 U299.6
/W564: Q88.5 Q88.6 U300.6
/W565: Q89.7 Q89.8 U301.6
/W566: Q89.5 Q89.6 U302.6
Net-(C1-Pad1): C1.1 R9.2 U3.14
Net-(C2-Pad2): C2.2 C3.1 U3.7
Net-(C4-Pad1): C4.1 R36.2 U7.14
Net-(C5-Pad2): C5.2 C6.1 U7.7
Net-(C7-Pad1): C7.1 R63.2 U11.14
Net-(C8-Pad2): C8.2 C9.1 U11.7
Net-(C10-Pad1): C10.1 R90.2 U15.14
Net-(C11-Pad2): C11.2 C12.1 U15.7
Net-(C13-Pad1): C13.1 R117.2 U19.14
Net-(C14-Pad2): C14.2 C15.1 U19.7
Net-(C16-Pad1): C16.1 R144.2 U23.14
Net-(C17-Pad2): C17.2 C18.1 U23.7
Net-(C19-Pad1): C19.1 R171.2 U27.14
Net-(C20-Pad2): C20.2 C21.1 U27.7
Net-(C22-Pad1): C22.1 R198.2 U31.14
Net-(C23-Pad2): C23.2 C24.1 U31.7
Net-(C25-Pad1): C25.1 R225.2 U36.14
Net-(C26-Pad2): C26.2 C27.1 U36.7
Net-(C28-Pad1): C28.1 R252.2 U40.14
Net-(C29-Pad2): C29.2 C30.1 U40.7
Net-(C31-Pad1): C31.1 R279.2 U44.14
Net-(C32-Pad2): C32.2 C33.1 U44.7
Net-(C34-Pad1): C34.1 R306.2 U48.14
Net-(C35-Pad2): C35.2 C36.1 U48.7
Net-(C37-Pad1): C37.1 R333.2 U51.14
Net-(C38-Pad2): C38.2 C39.1 U51.7
Net-(C40-Pad1): C40.1 R360.2 U55.14
Net-(C41-Pad2): C41.2 C42.1 U55.7
Net-(C43-Pad1): C43.1 R387.2 U59.14
Net-(C44-Pad2): C44.2 C45.1 U59.7
Net-(C46-Pad1): C46.1 R414.2 U63.14
Net-(C47-Pad2): C47.2 C48.1 U63.7
Net-(C49-Pad1): C49.1 R441.2 U67.14
Net-(C50-Pad2): C50.2 C51.1 U67.7
Net-(C52-Pad1): C52.1 R468.2 U71.14
Net-(C53-Pad2): C53.2 C54.1 U71.7
Net-(C55-Pad1): C55.1 R495.2 U75.14
Net-(C56-Pad2): C56.2 C57.1 U75.7
Net-(C58-Pad1): C58.1 R522.2 U79.14
Net-(C59-Pad2): C59.2 C60.1 U79.7
Net-(C61-Pad1): C61.1 R549.2 U83.14
Net-(C62-Pad2): C62.2 C63.1 U83.7
Net-(C64-Pad1): C64.1 R576.2 U87.14
Net-(C65-Pad2): C65.2 C66.1 U87.7
Net-(C67-Pad1): C67.1 R603.2 U91.14
Net-(C68-Pad2): C68.2 C69.1 U91.7
Net-(C70-Pad1): C70.1 R630.2 U95.14
Net-(C71-Pad2): C71.2 C72.1 U95.7
Net-(C73-Pad1): C73.1 R657.2 U99.14
Net-(C74-Pad2): C74.2 C75.1 U99.7
Net-(C76-Pad1): C76.1 R684.2 U103.14
Net-(C77-Pad2): C77.2 C78.1 U103.7
Net-(C79-Pad1): C79.1 R711.2 U107.14
Net-(C80-Pad2): C80.2 C81.1 U107.7
Net-(C82-Pad1): C82.1 R738.2 U111.14
Net-(C83-Pad2): C83.2 C84.1 U111.7
Net-(C85-Pad1): C85.1 R765.2 U115.14
Net-(C86-Pad2): C86.2 C87.1 U115.7
Net-(C88-Pad1): C88.1 R792.2 U119.14
Net-(C89-Pad2): C89.2 C90.1 U119.7
Net-(Q1A-G1): Q1.2 R3.2 U2.14
Net-(Q1A-S1): Q1.1 R5.2 U2.4
Net-(Q1B-G2): Q1.4 R4.2 U2.7
Net-(Q1B-S2): Q1.3 R6.2 U2.11
Net-(Q2A-G1): Q2.2 R14.2 U4.14
Net-(Q2A-S1): Q2.1 R16.2 U4.4
Net-(Q2B-G2): Q2.4 R15.2 U4.7
Net-(Q2B-S2): Q2.3 R17.2 U4.11
Net-(Q3A-G1): Q3.2 R22.2 U5.14
Net-(Q3A-S1): Q3.1 R24.2 U5.4
Net-(Q3B-G2): Q3.4 R23.2 U5.7
Net-(Q3B-S2): Q3.3 R25.2 U5.11
Net-(Q4A-G1): Q4.2 R30.2 U6.14
Net-(Q4A-S1): Q4.1 R32.2 U6.4
Net-(Q4B-G2): Q4.4 R31.2 U6.7
Net-(Q4B-S2): Q4.3 R33.2 U6.11
Net-(Q5A-G1): Q5.2 R41.2 U8.14
Net-(Q5A-S1): Q5.1 R43.2 U8.4
Net-(Q5B-G2): Q5.4 R42.2 U8.7
Net-(Q5B-S2): Q5.3 R44.2 U8.11
Net-(Q6A-G1): Q6.2 R49.2 U9.14
Net-(Q6A-S1): Q6.1 R51.2 U9.4
Net-(Q6B-G2): Q6.4 R50.2 U9.7
Net-(Q6B-S2): Q6.3 R52.2 U9.11
Net-(Q7A-G1): Q7.2 R57.2 U10.14
Net-(Q7A-S1): Q7.1 R59.2 U10.4
Net-(Q7B-G2): Q7.4 R58.2 U10.7
Net-(Q7B-S2): Q7.3 R60.2 U10.11
Net-(Q8A-G1): Q8.2 R68.2 U12.14
Net-(Q8A-S1): Q8.1 R70.2 U12.4
Net-(Q8B-G2): Q8.4 R69.2 U12.7
Net-(Q8B-S2): Q8.3 R71.2 U12.11
Net-(Q9A-G1): Q9.2 R76.2 U13.14
Net-(Q9A-S1): Q9.1 R78.2 U13.4
Net-(Q9B-G2): Q9.4 R77.2 U13.7
Net-(Q9B-S2): Q9.3 R79.2 U13.11
Net-(Q10A-G1): Q10.2 R84.2 U14.14
Net-(Q10A-S1): Q10.1 R86.2 U14.4
Net-(Q10B-G2): Q10.4 R85.2 U14.7
Net-(Q10B-S2): Q10.3 R87.2 U14.11
Net-(Q11A-G1): Q11.2 R95.2 U16.14
Net-(Q11A-S1): Q11.1 R97.2 U16.4
Net-(Q11B-G2): Q11.4 R96.2 U16.7
Net-(Q11B-S2): Q11.3 R98.2 U16.11
Net-(Q12A-G1): Q12.2 R103.2 U17.14
Net-(Q12A-S1): Q12.1 R105.2 U17.4
Net-(Q12B-G2): Q12.4 R104.2 U17.7
Net-(Q12B-S2): Q12.3 R106.2 U17.11
Net-(Q13A-G1): Q13.2 R111.2 U18.14
Net-(Q13A-S1): Q13.1 R113.2 U18.4
Net-(Q13B-G2): Q13.4 R112.2 U18.7
Net-(Q13B-S2): Q13.3 R114.2 U18.11
Net-(Q14A-G1): Q14.2 R122.2 U20.14
Net-(Q14A-S1): Q14.1 R124.2 U20.4
Net-(Q14B-G2): Q14.4 R123.2 U20.7
Net-(Q14B-S2): Q14.3 R125.2 U20.11
Net-(Q15A-G1): Q15.2 R130.2 U21.14
Net-(Q15A-S1): Q15.1 R132.2 U21.4
Net-(Q15B-G2): Q15.4 R131.2 U21.7
Net-(Q15B-S2): Q15.3 R133.2 U21.11
Net-(Q16A-G1): Q16.2 R138.2 U22.14
Net-(Q16A-S1): Q16.1 R140.2 U22.4
Net-(Q16B-G2): Q16.4 R139.2 U22.7
Net-(Q16B-S2): Q16.3 R141.2 U22.11
Net-(Q17A-G1): Q17.2 R149.2 U24.14
Net-(Q17A-S1): Q17.1 R151.2 U24.4